# Altium PCB finalproject_pcb.PcbDoc
Units mm, origin at the board's own origin, x right, y up, seen from the top; angles counter-clockwise.
Board outline 42.3 x 42.3 mm, 4 copper layers (Top Layer L1, Inner Layer L2, Inner Layer L3, Bottom Layer L4), stack 1.559 mm thick; 66 components, 54 nets, 316 pads, 228 vias.
Unrouted connection lines stored in the file: 9.
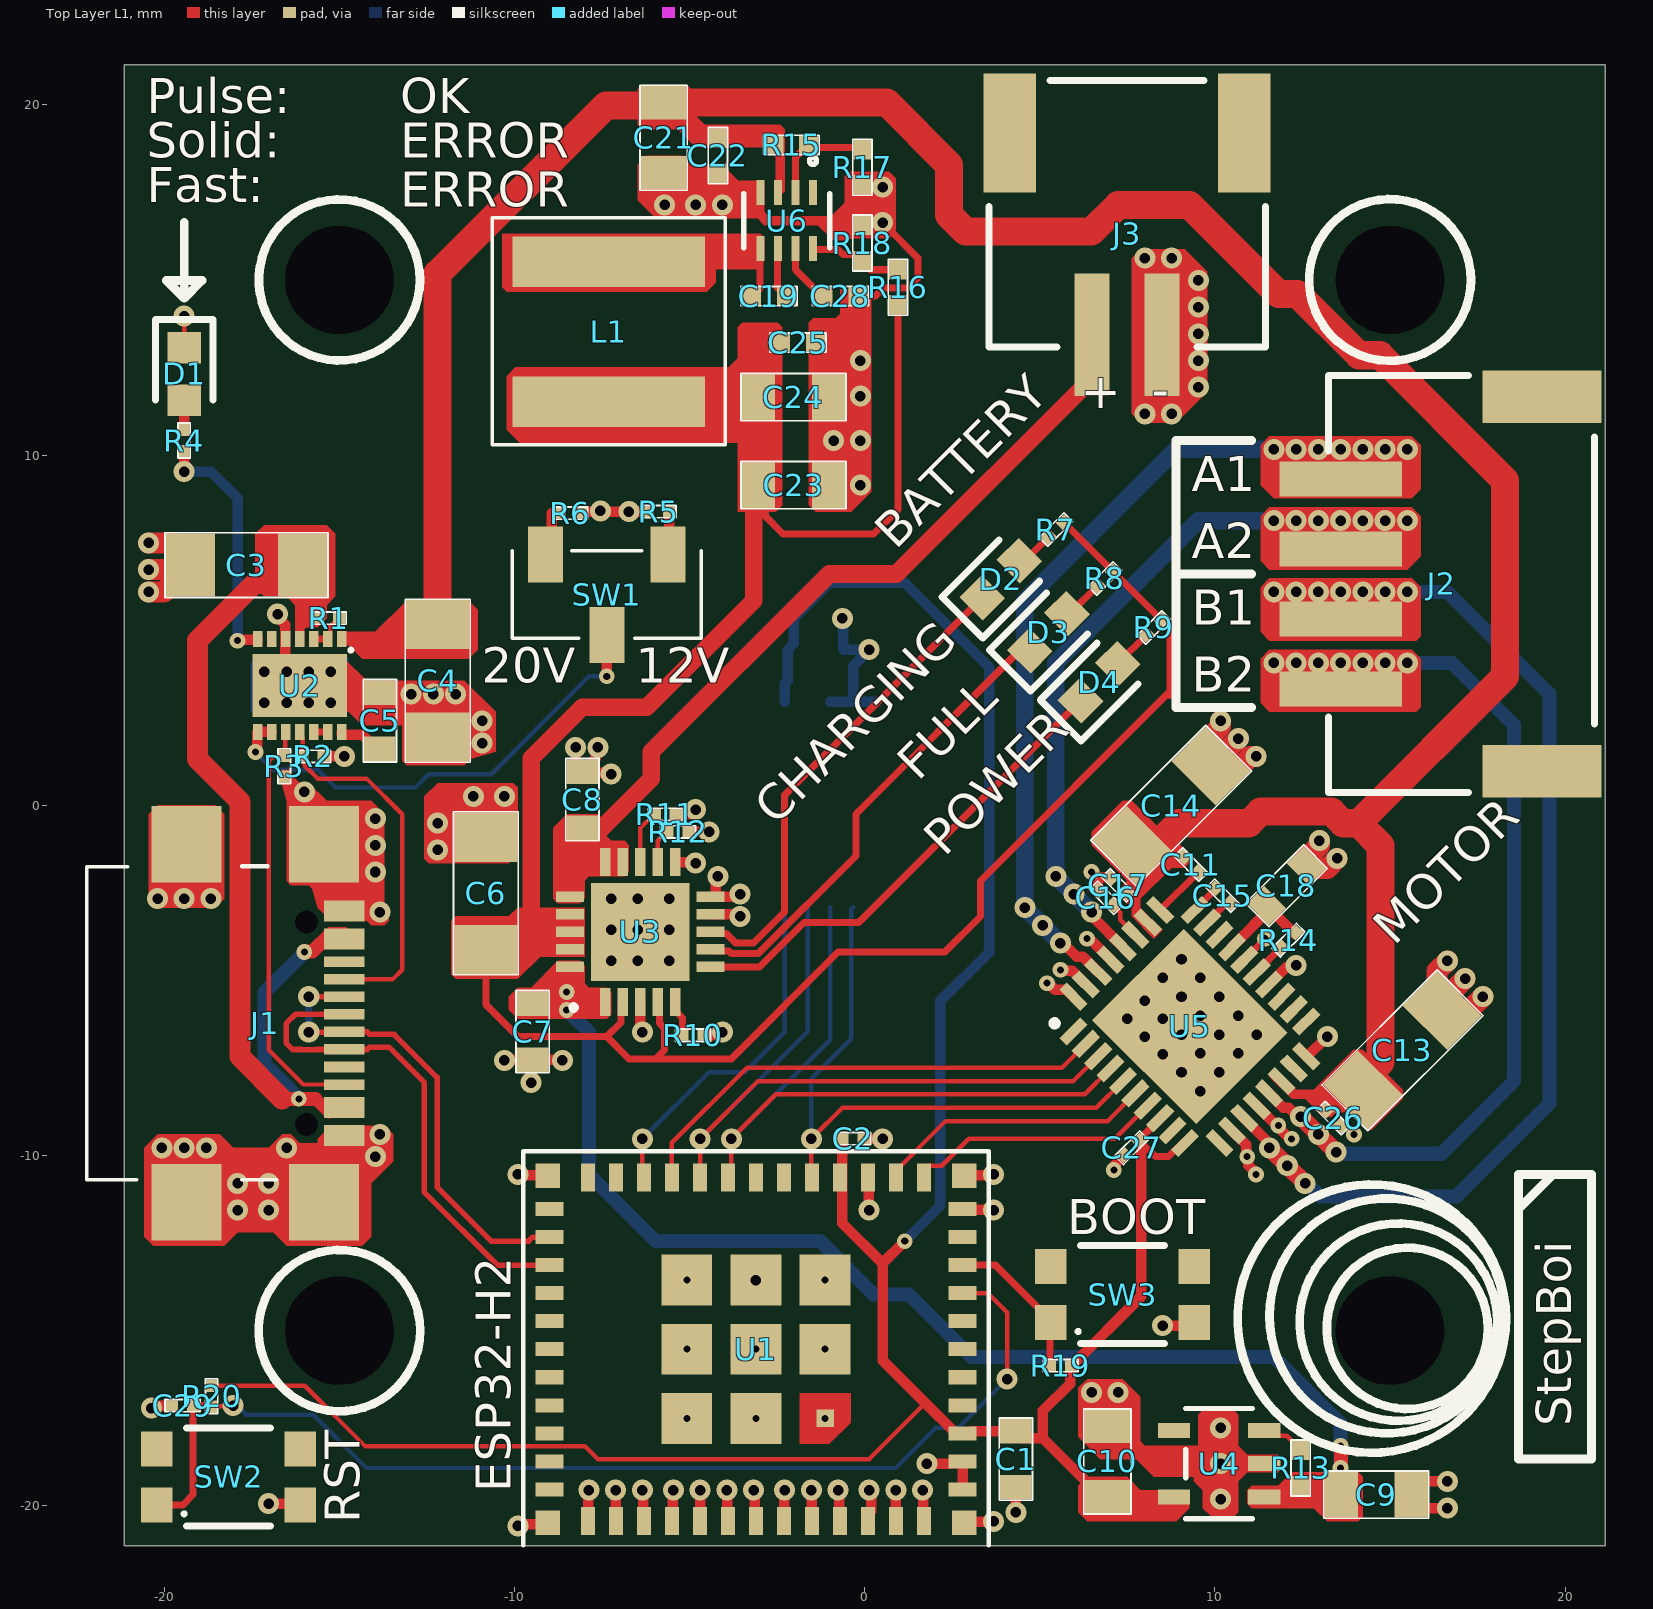
[diagram p0: Top Layer L1 view]
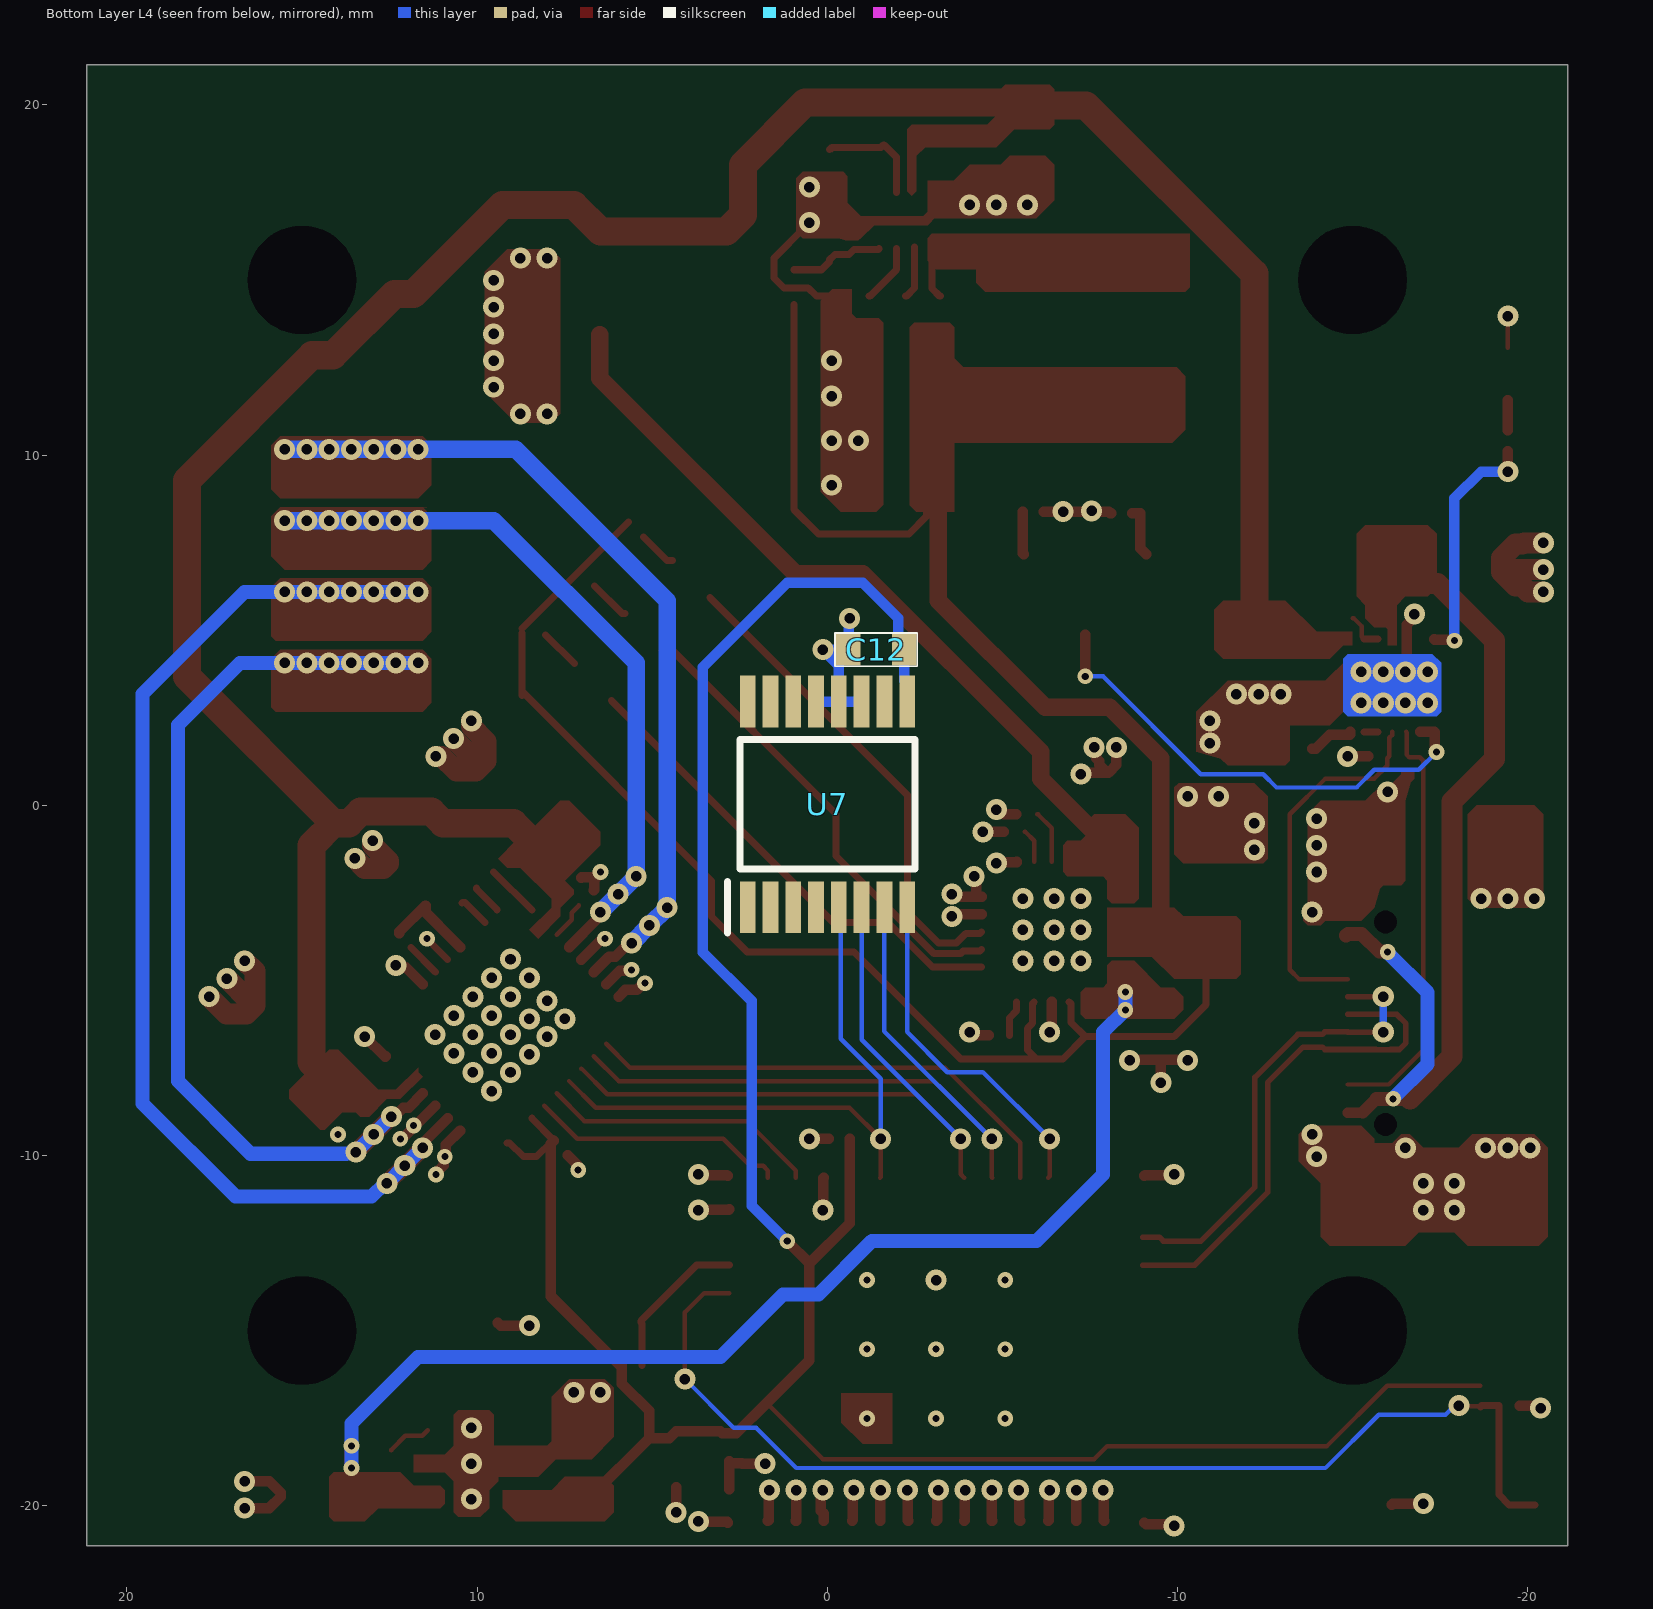
[diagram p1: Bottom Layer L4 view, seen from below]
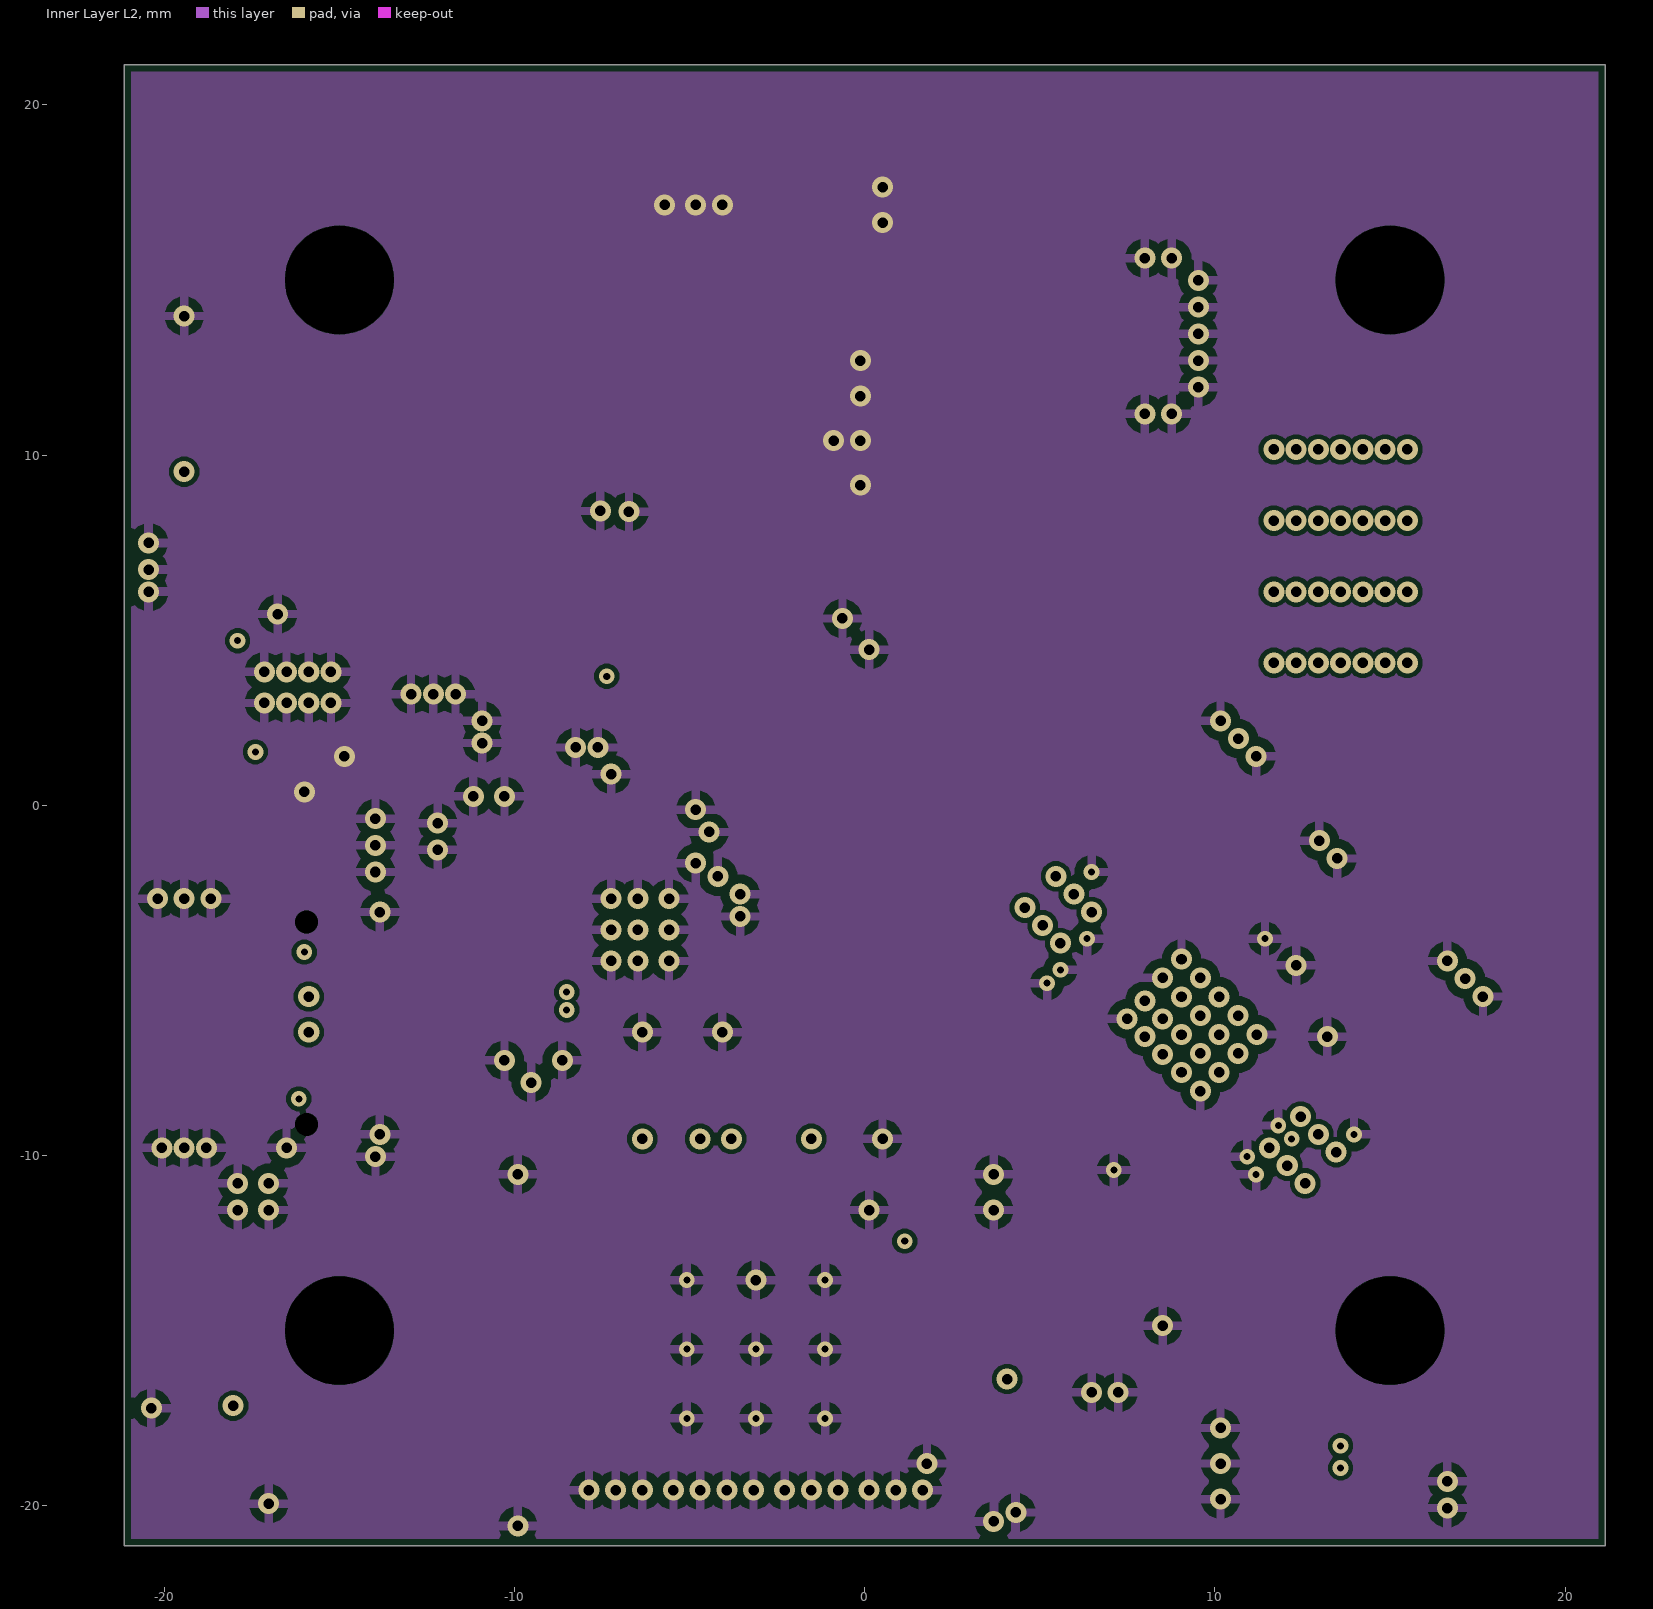
[diagram p2: Inner Layer L2]
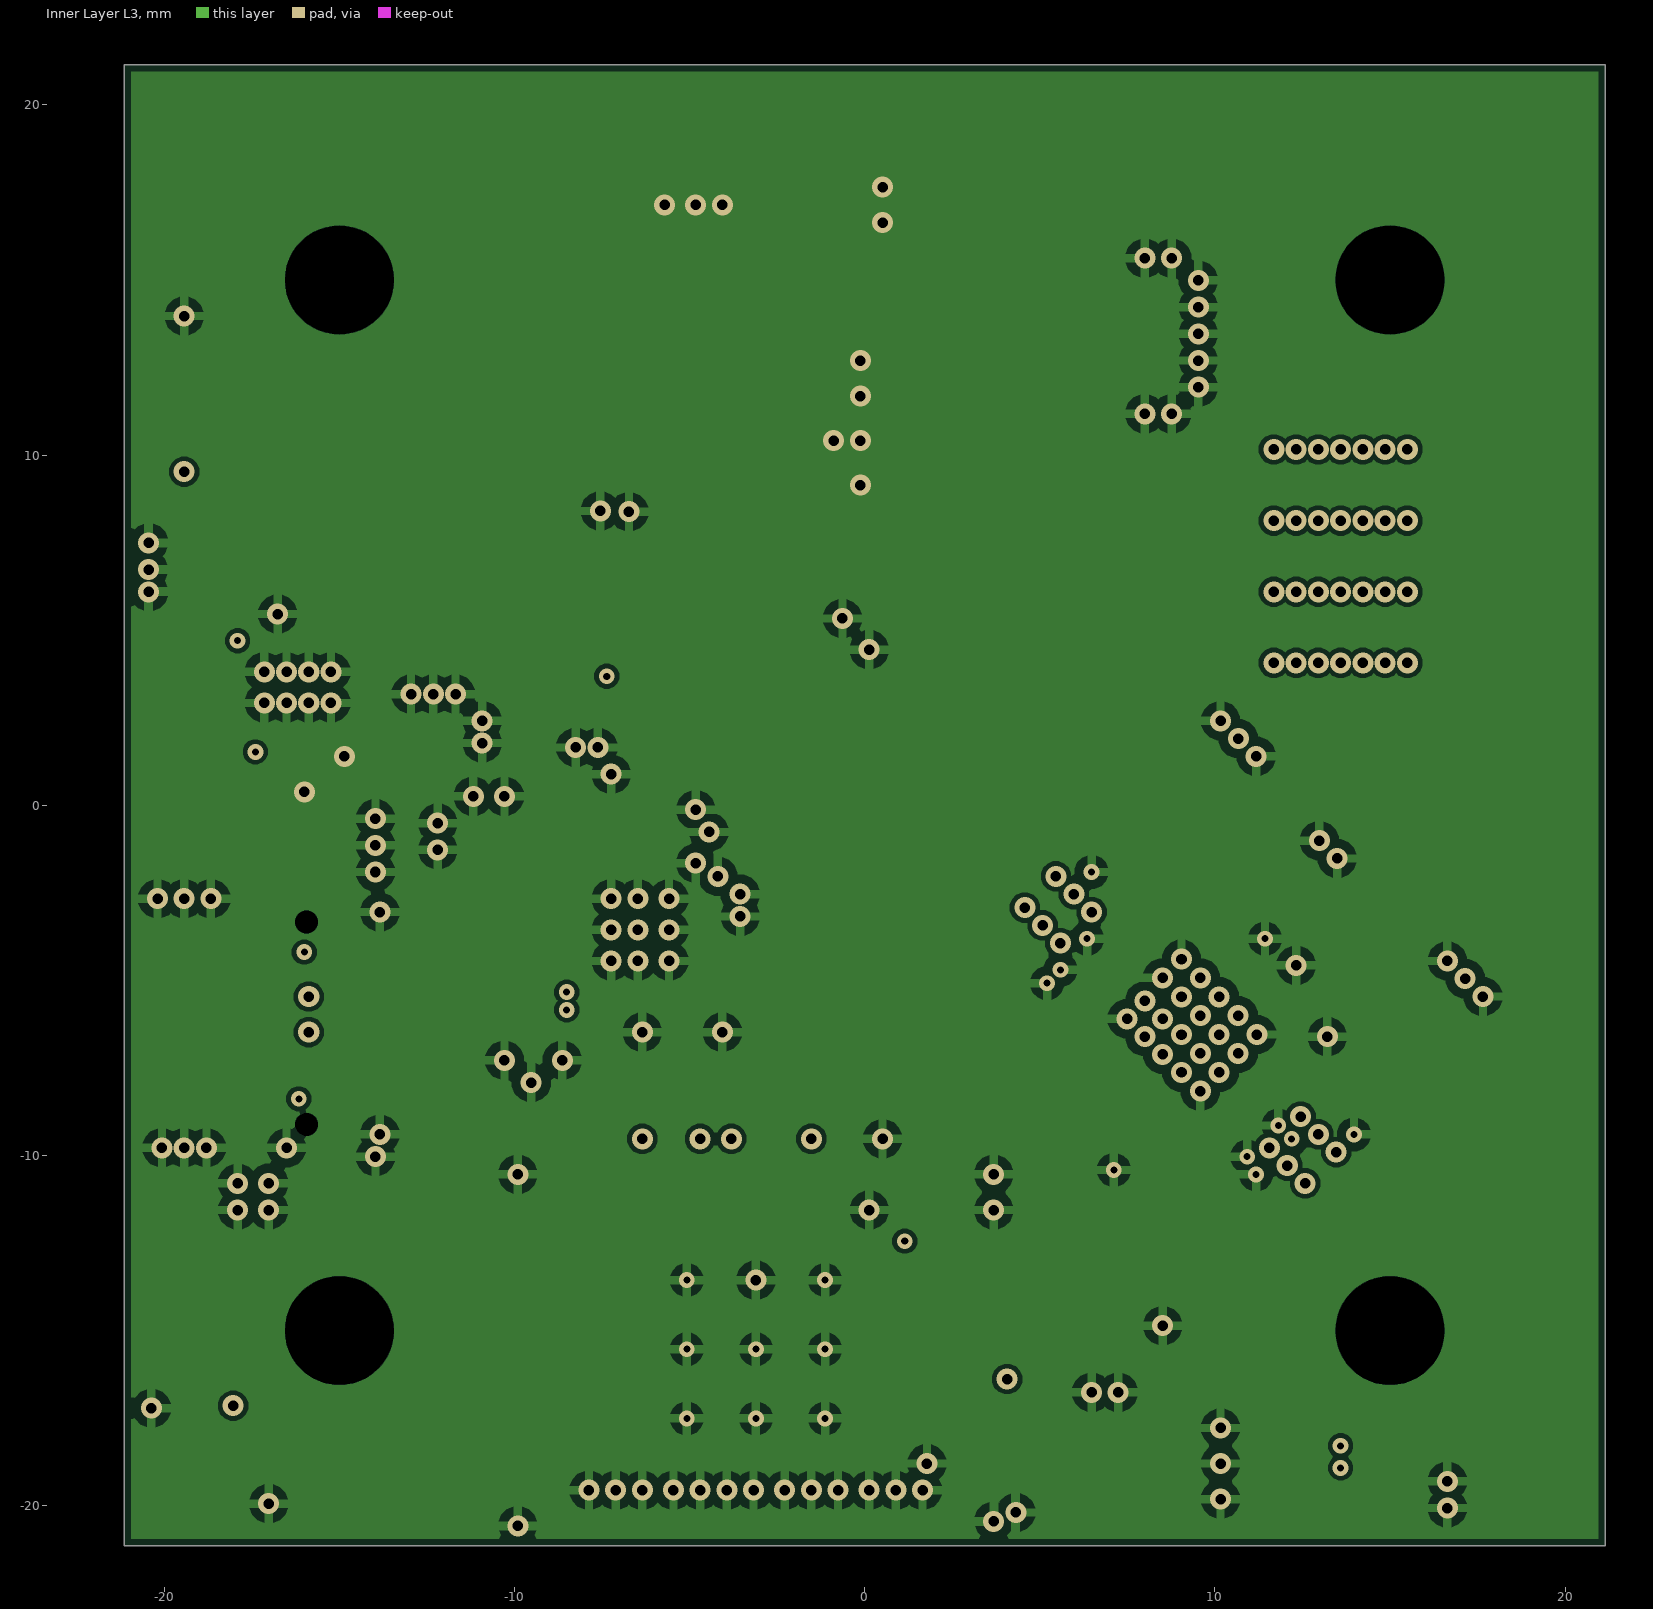
[diagram p3: Inner Layer L3]
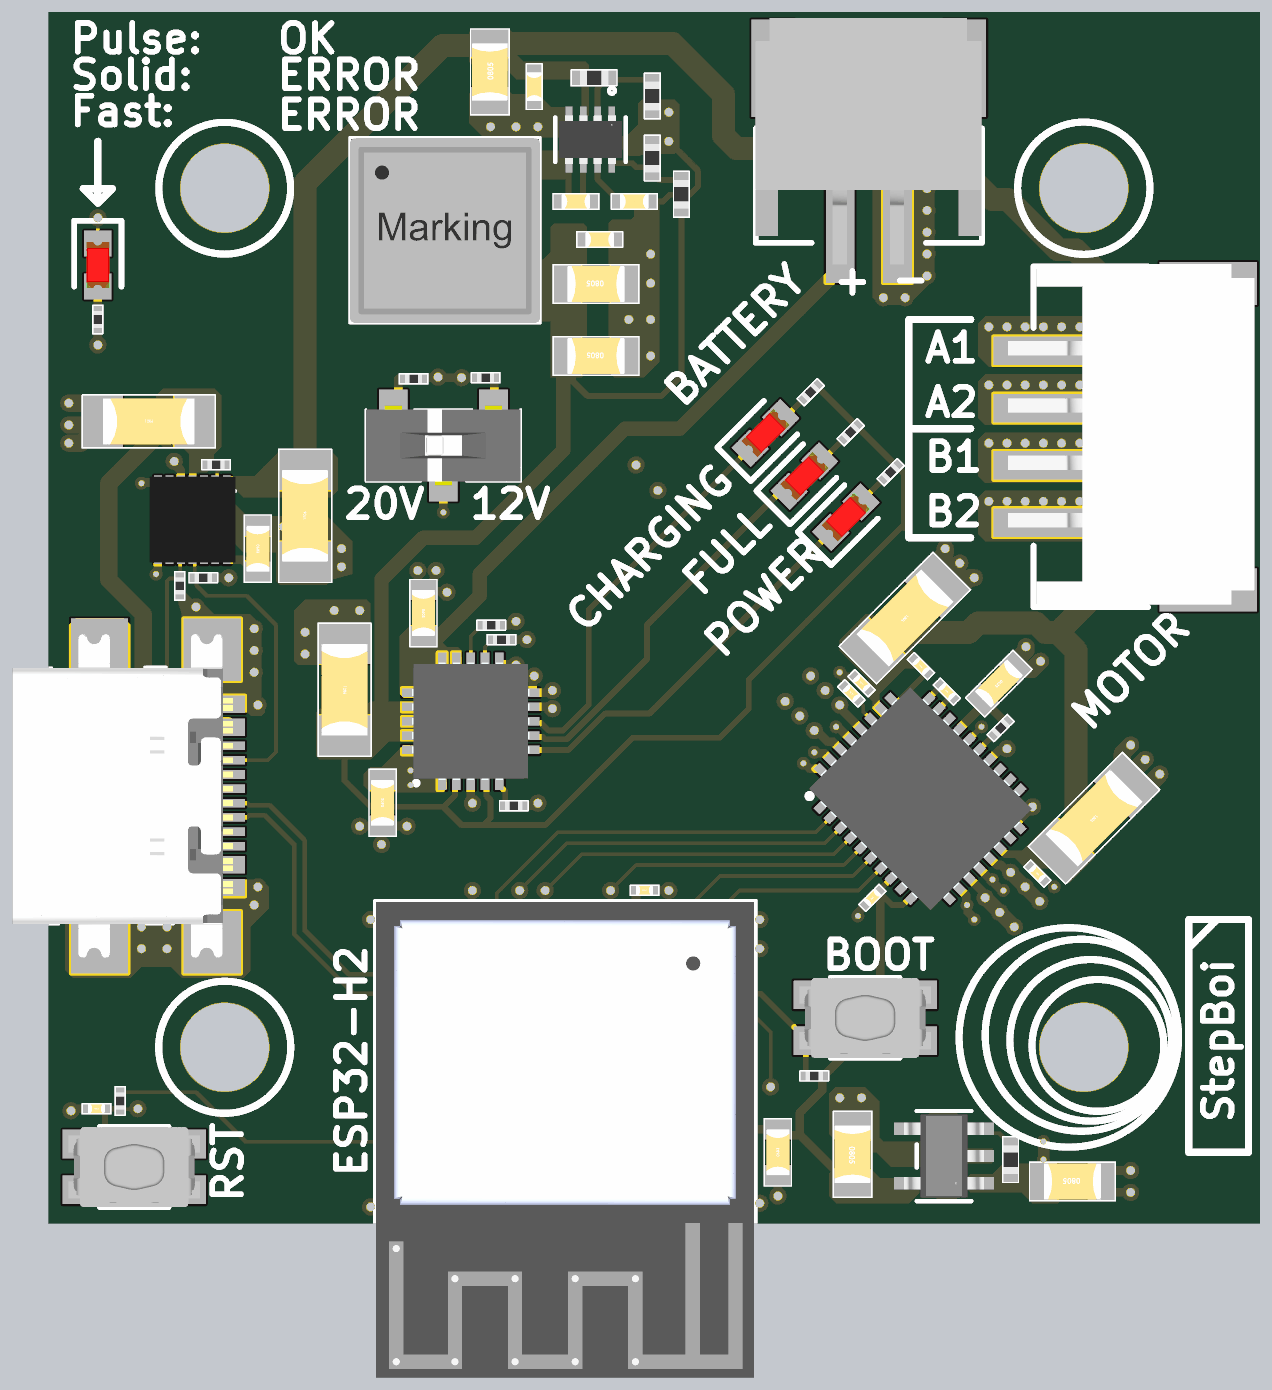
[diagram p4: 3D render of the assembled board from above, using the file's embedded part models]

## Layer stack, top to bottom
Board Layer Stack Top Solder: solder mask 0.0254, SM-001, Dk 4
Top Layer L1: signal copper 0.035
Prepreg 1: prepreg 0.0994, PP-015, Dk 4.3
Inner Layer L2: signal copper 0.0152
Core 1: core 1.26, Core-009, Dk 4.5
Inner Layer L3: signal copper 0.0152
Prepreg 2: prepreg 0.0994, PP-015, Dk 4.3
Bottom Layer L4: signal copper 0.035
Board Layer Stack Bottom Solder: solder mask 0.0254, SM-001, Dk 4

## Board outline
-21.15,-21.15 -21.15,21.15 21.15,21.15 21.15,-21.15

## Design rules (kind name [scope] priority, off if disabled: settings)
BoardOutlineClearance [All] p1: gap=0.2 ignorepadtopadclearanceinfootprint=FALSE
Clearance [All] p1: gap=0.102 ignorepadtopadclearanceinfootprint=TRUE except(0: Fill-Hole Poly-Hole Region-Hole Text-Hole; 0.127: Arc-Via Track-Via SMDPad-Via THPad-Via Via-Via Via-Fill Via-Poly Via-Region Via-Text; 0.2: Arc-Hole Track-Hole SMDPad-Hole THPad-Hole Via-Hole)
ComponentClearance [All] p1: gap=0.102 collisioncheckmode=3 verticalgap=0.102 showdistances=TRUE
DiffPairsRouting [All] p1: maxlimit=0.102 minlimit=0.102 mostfreqgap=0.102 toplayer_minwidth=0.102 toplayer_maxwidth=1816.048 toplayer_prefwidth=0.102 midlayer1_minwidth=0.102 midlayer1_maxwidth=1816.048 midlayer1_prefwidth=0.102 midlayer2_minwidth=0.102 midlayer2_maxwidth=1816.048 midlayer2_prefwidth=0.102 bottomlayer_minwidth=0.102 bottomlayer_maxwidth=1816.048 bottomlayer_prefwidth=0.102 maxuncoupledlength=12.7
Height [All] p1: minheight=0 maxheight=1816.048 prefheight=12.7
HoleSize [All] p1: absolutevalues=TRUE maxlimit=6.3 minlimit=0.2 maxpercent=80.000 minpercent=20.000
HoleToHoleClearance [All] p1: gap=0.25 allowstackedmicrovias=FALSE
MinimumAnnularRing [All] p1: minimumring=0.076
MinimumSolderMaskSliver [All] p1: minsoldermaskwidth=0
PlaneClearance [All] p1: clearance=0.102
PlaneConnect PlaneConnectPowerPads [InPadClass('PowerPads')] p1: planeconnectstyle=Direct reliefexpansion=0.508 reliefentries=4 reliefconductorwidth=0.254 reliefairgap=0.254
PlaneConnect [All] p2: pad.planeconnectstyle=Relief pad.reliefexpansion=0.3 pad.reliefentries=4 pad.reliefconductorwidth=0.102 pad.reliefairgap=0.102 via.planeconnectstyle=Direct via.reliefexpansion=0.3 via.reliefentries=4 via.reliefconductorwidth=0.127 via.reliefairgap=0.127
PolygonConnect PolygonConnectPowerPads [All vs (InPadClass('PowerPads'))] p1: connectstyle=Direct reliefconductorwidth=0.254 reliefentries=4 polygonreliefangle="90 Angle" airgapwidth=0.254
PolygonConnect [All] p2: thpad.connectstyle=Relief thpad.reliefconductorwidth=0.102 thpad.reliefentries=4 thpad.polygonreliefangle="90 Angle" thpad.airgapwidth=0.102 smdpad.connectstyle=Relief smdpad.reliefconductorwidth=0.102 smdpad.reliefentries=4 smdpad.polygonreliefangle="90 Angle" smdpad.airgapwidth=0.102 via.connectstyle=Direct via.reliefconductorwidth=0.127 via.reliefentries=4 via.polygonreliefangle="90 Angle" via.airgapwidth=0.127
RoutingVias [All] p1: holewidth=0.2 width=0.45 viastyle="Through Hole" minholewidth=0.2 minwidth=0.45 maxholewidth=6.3 maxwidth=6.55
SilkToSilkClearance [All] p1: silktosilkclearance=0
SilkToSolderMaskClearance [IsPad] p1: minsilkscreentomaskgap=0.102 clearancetoexposedcopper=TRUE
SolderMaskExpansion [All] p1: expansion=0.075 istentingtop=FALSE
SupplyNets "Schematic Supply Nets" [InNet('GND')] p1: voltage=0.000
Width [All] p1: maxlimit=1816.048 minlimit=0.102 preferedwidth=0.102
20 further rules are at their usual default settings.

## Classes and differential pairs
differential pair USB_D: +USB_D_P -USB_D_N

## Components (designator, comment, footprint, x,y, rotation, side; value= is the part's Value field where it differs from the comment)
C1 "CAP_0603" CAP_0603 4.318,-18.669 r90 top value=4.7uF
C2 "CAP_0201" CAP_0201 -0.338,-9.517 r0 top value=100nF
C3 "CAP_1206" CAP_1206 -17.653,6.858 r0 top value=10uF
C4 "CAP_1206" CAP_1206 -12.192,3.556 r90 top value=10uF
C5 "CAP_0603" CAP_0603 -13.843,2.413 r270 top value=1uF
C6 "CAP_1206" CAP_1206 -10.815,-2.512 r270 top value=10uF
C7 "CAP_0603" CAP_0603 -9.486,-6.461 r90 top value=4.7uF
C8 "CAP_0603" CAP_0603 -8.061,0.162 r270 top value=4.7uF
C9 "CAP_0805" CAP_0805 14.605,-19.685 r180 top value=10uF
C10 "CAP_0805" CAP_0805 6.926,-18.737 r270 top value=10uF
C11 "CAP_0201" CAP_0201 9.313,-1.693 r135 top value=100nF
C12 "CAP_0603" CAP_0603 -1.397,4.445 r180 bottom value=0.1uF
C13 "CAP_1206" CAP_1206 15.355,-6.997 r225 top value=22uF
C14 "CAP_1206" CAP_1206 8.751,-0.012 r225 top value=22uF
C15 "CAP_0201" CAP_0201 10.223,-2.581 r315 top value=22nf
C16 "CAP_0201" CAP_0201 6.884,-2.641 r315 top value=100nF
C17 "CAP_0201" CAP_0201 7.239,-2.286 r315 top value=100nF
C18 "CAP_0603" CAP_0603 12.038,-2.299 r225 top value=4.7uF
C19 "CAP_0402" CAP_0402 -2.735,14.537 r0 top value=0.1uF
C21 "CAP_0805" CAP_0805 -5.743,19.061 r90 top value=10uF
C22 "CAP_0402" CAP_0402 -4.191,18.55 r90 top value=100nF
C23 "CAP_0805" CAP_0805 -2.032,9.144 r180 top value=22uF
C24 "CAP_0805" CAP_0805 -2.034,11.656 r180 top value=22uF
C25 "CAP_0402" CAP_0402 -1.905,13.208 r180 top value=100nF
C26 "CAP_0201" CAP_0201 13.377,-8.932 r135 top value=100nF
C27 "CAP_0201" CAP_0201 7.62,-9.779 r45 top value=100nF
C28 "CAP_0402" CAP_0402 -0.695,14.537 r180 top value=33nF
C29 "CAP_0201" CAP_0201 -19.477,-17.145 r0 top value=100nF
D1 "KT-0603R" LEDC1608X70N -19.431,12.316 r270 top
D2 "KT-0603R" LEDC1608X70N 3.884,6.456 r45 top
D3 "KT-0603R" LEDC1608X70N 5.247,4.944 r45 top
D4 "KT-0603R" LEDC1608X70N 6.692,3.516 r45 top
J1 "USB4110-GF-A" USB4110GFA -18.542,-6.223 r270 top
J2 "S4B-PH-SM4-TB__LF__SN_" S4BPHSM4TBLFSN 17.045,6.321 r270 top
J3 "S2B-PH-SM4-TB__LF__SN_" S2BPHSM4TBLFSN 7.493,16.891 r0 top
L1 "6.8uH" 74439346068 -7.307,13.521 r0 top
R1 "RES_0201" RES_0201 -15.302,5.346 r0 top value=5m
R2 "RES_0201" RES_0201 -15.748,1.397 r180 top value=5.1k
R3 "RES_0201" RES_0201 -16.575,1.114 r90 top value=5.1k
R4 "RES_0201" RES_0201 -19.431,10.414 r270 top value=220
R5 "RES_0201" RES_0201 -5.888,8.382 r180 top value=66k
R6 "RES_0201" RES_0201 -8.405,8.343 r0 top value=39k
R7 "RES_0201" RES_0201 5.461,7.874 r45 top value=220
R8 "RES_0201" RES_0201 6.858,6.477 r45 top value=220
R9 "RES_0201" RES_0201 8.255,5.08 r45 top value=220
R10 "RES_0201" RES_0201 -4.905,-6.567 r180 top value=10k
R11 "RES_0201" RES_0201 -5.693,-0.26 r180 top value=10k
R12 "RES_0201" RES_0201 -5.334,-0.762 r180 top value=20k
R13 "RES_0402" RES_0402 12.446,-18.923 r270 top value=10k
R14 "RES_0201" RES_0201 12.099,-3.852 r45 top value=9.1k
R15 "RES_0402" RES_0402 -2.1,18.855 r180 top value=511k
R16 "RES_0402" RES_0402 0.948,14.791 r270 top value=53.6k
R17 "RES_0402" RES_0402 -0.068,18.22 r90 top value=88.7k
R18 "RES_0402" RES_0402 -0.068,16.053 r270 top value=10.2k
R19 "RES_0201" RES_0201 5.588,-16.002 r0 top value=10k
R20 "RES_0201" RES_0201 -18.65,-16.875 r90 top value=10k
SW1 "CJS-1200TA2" CJS1200TA2 -7.362,6.016 r180 top
SW2 "KMR232NG_ULC_LFS" KMR232NGULCLFS -18.161,-19.177 r180 top
SW3 "KMR232NG_ULC_LFS" KMR232NGULCLFS 7.366,-13.97 r180 top
U1 "ESP32-H2-MINI-1-H2" MODULE_ESP32-H2-MINI-1-H2 -3.106,-18.232 r180 top
U2 "AP33771CFBZ-13-FA01" AP33771CFBZ13FA01 -16.127,3.42 r180 top
U3 "MCP73871-1AAI_ML" QFN50P400X400X100-21N-D -6.409,-3.615 r90 top
U4 "XC6220B331MR-G" SOT-25_TOR 10.12,-18.798 r180 top
U5 "TMC2130-LA" QFN50P500X600X90-37N 9.284,-6.317 r45 top
U6 "TPS62933DRLR" SOT-5X3-8_DRL_TEX -2.227,16.696 r270 top
U7 "MT6835" SOP65P640X120-16N -0.006,0.024 r90 bottom
